# Altium PCB Copy of pioneer_2-bluepill_eletronic_wrapper.PcbDoc (continued)
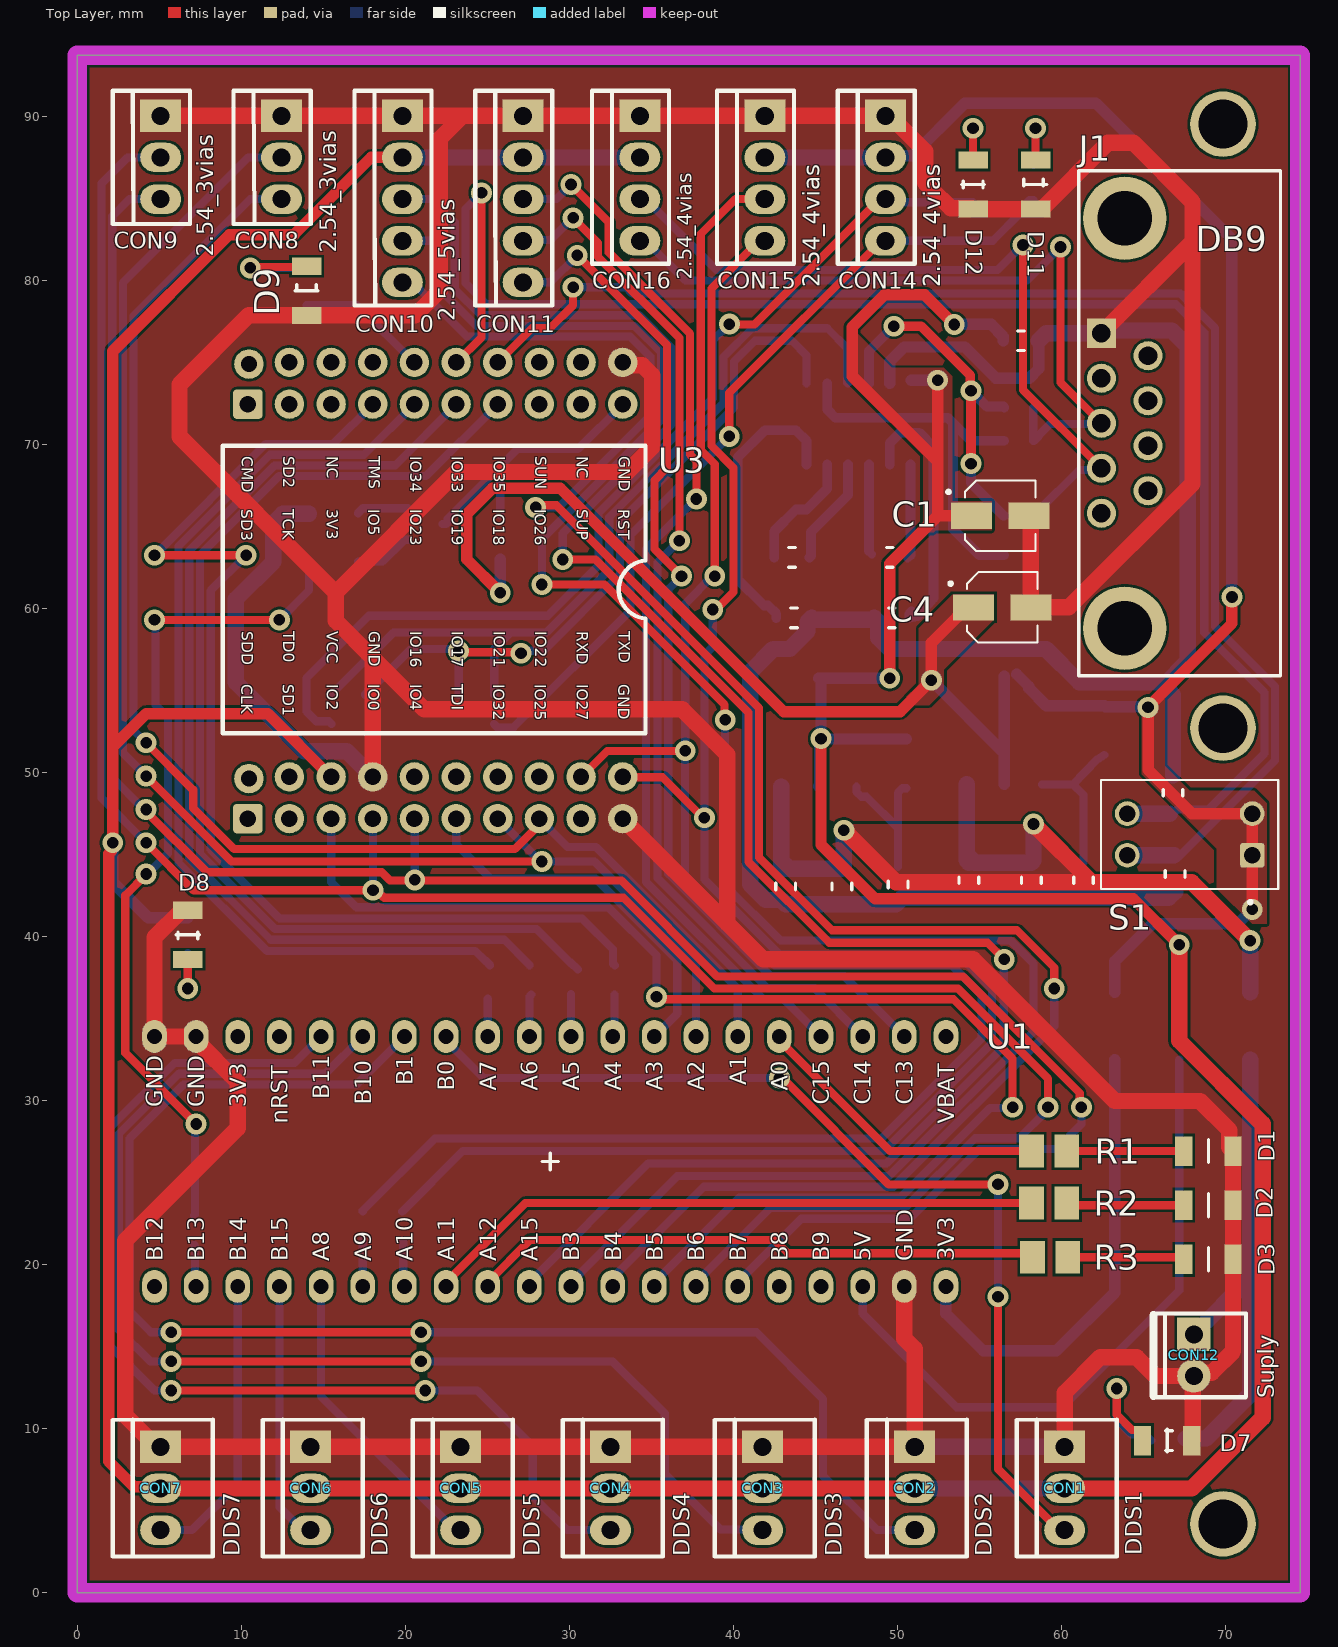
[diagram p0: Top Layer view]
## Part data (continued)
R4 R7 R25 R26 R27: library part "RES 1206", "RES 1206 5%", Arrow Part Number=CRCW12064K70FKEA, Manufacturer_Name=Vishay, Mouser Part Number=71-CRCW1206-4.7K-E3, Arrow Price/Stock=https://www.arrow.com/en/products/crcw12064k70fkea/vishay, Datasheet Link=http://docs-emea.rs-online.com/webdocs/13ec/0900766b813ecc08.pdf, Height=0.6mm, Manufacturer_Part_Number=CRCW12064K70FKEA, Mouser Price/Stock=https://www.mouser.co.uk/ProductDetail/Vishay-Dale/CRCW12064K70FKEA?qs=1vm4qhDHCvlKJmatsKzyFQ%3D%3D
R15 R16 R17 R18 R19 R20 R21 R29 R30 R31 R32 R34 R35 R36 R37: library part "RES 0603 5%", "0603", Case Code - mm=1608, Manufacturer="PANASONIC ELECTRONIC COMPONENTS", Manufacturer Part Number=ERJ-3GEY0R00V, Operating Temperature="-55°C ~ 155°C", Operating Temperature Range="- 55 C to + 155 C", Package / Case="0603 (1608 Metric)", Power (Watts)="0.1W, 1/10W", Power Rating=100, Resistance=0, Resistance (Ohms)=0.0, Resistance Tolerance=-, Resistor Case Style="0603 [1608 Metric]", Supplier Part Number 1=667-ERJ-3GEY0R00V, Tolerance=Jumper, Voltage Rating=75, Brand=Panasonic, Case Code - in=0603, Category=Resistors, ComponentLink1Description=http://www.farnell.com/cad/1697908.zip, ComponentLink1URL=http://www.farnell.com/cad/1697908.zip, ComponentLink2Description=http://www.farnell.com/datasheets/1678796.pdf, ComponentLink2URL=http://www.farnell.com/datasheets/1678796.pdf, ComponentLink3Description=http://industrial.panasonic.com/www-cgi/jvcr13pz.cgi?E+PZ+3+AOA0001+ERJ3GEY0R00V+7+WW, ComponentLink3URL=http://industrial.panasonic.com/www-cgi/jvcr13pz.cgi?E+PZ+3+AOA0001+ERJ3GEY0R00V+7+WW, ComponentLink4Description=http://www.mouser.com/ds/2/315/AOA0000C84-947596.pdf, ComponentLink4URL=http://www.mouser.com/ds/2/315/AOA0000C84-947596.pdf, Composition="Thick Film", Features="Automotive AEC-Q200", Height="0.022\" (0.55mm)", Length="1.6 mm", Minimum Order Quantity=1, MSL=-, Number of Terminations=2, Packaging="Cut Tape", Pricing 1="1=0.160, 10=0.019, 100=0.013, 500=0.010, 1000=0.005, 5000=0.003 (AUD)", Product="Thick Film Resistors Zero-Ohm", Product Range="AEC-Q200 ERJ3", Qualification=AEC-Q200, Reeling=True, RoHS=YES, RoHS - Mouser=E, Series=ERJ, Size / Dimension="0.063\" L x 0.031\" W (1.60mm x 0.80mm)", Stock 1=1987085, Supplier 1=Mouser, Supplier Device Package=0603, Temperature Coefficient=-, Termination Style=SMD/SMT, Type="Thick Film Resistors SMD", Width="0.8 mm"
S1: "DS02-254-2L-02BE", Package=None, Availability=Unavailable, MP=DS02-254-2L-02BE, Price=None
U1: library part CMP-010-000000-1, "BluePill - STMDuino (STM32F103)", Component Type=Interface, Design Item ID=BluePill, Source=uControlador.SchLib
U2: "3-V to 5.5-V multichannel RS-232 line driver & receiver 16-SOIC -40 to 85", Package="SOIC-16 Texas Instruments", Availability=Good, DigiKey-Purchase-URL=https://snapeda.com/shop?store=DigiKey&id=215166, MF="Texas Instruments", Mouser-Purchase-URL=https://snapeda.com/shop?store=Mouser&id=215166, MP=MAX3232ID, Price=None, SnapEDA_Link=https://www.snapeda.com/parts/MAX3232ID/Texas%20Instruments/view-part/215166/?ref=snap, Texas_Instruments-Purchase-URL=https://snapeda.com/shop?store=Texas+Instruments&id=215166
U3: library part "ESP32 D1 Mini", "ESP32 D1 Mini"

## Free pads (board coordinates)
  round 4 hole 3: 1(69.85,52.705) 2(69.85,4.191) 3(69.85,89.535)

## Via types
v1: diameter 1.27, hole 0.711, Top Layer to Bottom Layer, 72 vias

## Nets (pads, with @x,y where several pads share a name; then routed paths per layer and width w, separated by ;. In a path a pad name is that pad's centre, name@x,y a point inside that pad or via, vN(x,y) a via of type N, cw(c..) or ccw(c..) an arc to the next point about the centre after c; other vN are vias at no path point)
3v3: C4.p CON14.2 CON15.2 D5.1 LM2.2 LM2.4 R7.2 R25.2 S1.1A S1.2A | length 163.3
  Top Layer w0.7: v1@25.746,60.995 23.749,62.992 23.749,65.786 25.287,67.324 29.45,67.324 43.053,53.721 50.165,53.721 v1(52.07,55.626) 52.07,57.912 53.638,59.48 53.638,59.521 54.188,60.071 C4.p ; v1(70.396,60.706) 70.396,59.093 v1(65.278,53.975) 65.278,50.165 67.945,47.498 S1.1A S1.2A v1(71.628,41.656)
  Bottom Layer w0.7: v1(25.781,60.96) R25.2 ; CON14.2 49.368,87.595 50.892,87.595 54.102,90.805 62.103,90.805 70.396,82.512 v1(70.396,60.706) ; v1(52.07,55.626) 56.515,51.181 ; LM2.2 56.515,51.181 ; LM2.4 56.515,51.181 ; LM2.4@57.261,56.007 58.015,55.253 58.015,55.142 59.079,54.078 R7.2 62.663,54.026 65.227,54.026 v1(65.278,53.975) ; D5.1 63.246,38.481 65.532,40.767 70.739,40.767 v1(71.628,41.656)
  Bottom Layer w1: CON15.2 CON14.2
3v3_bluepill: D5.2 U1.20 U1.38 | length 28.6
  Bottom Layer w0.7: U1.20 52.959,17.018 55.245,14.732 59.69,14.732 63.246,18.288 D5.2
5v: C1.p C5.1 CON1.2 CON2.2 CON3.2 CON4.2 CON5.2 CON6.2 CON7.2 CON10.2 CON11.2 CON16.2 D4.1 LM1.2 LM1.4 R4.2 R22.2 U2.16 U3.13 | length 326.9
  Top Layer w0.7: CON7.2 4.988,6.442 3.464,6.442 1.905,8.001 1.905,45.063 2.05,45.208 2.05,45.611 v1(2.159,45.72) 2.159,51.562 ; U3.13 11.608,53.594 4.191,53.594 2.159,51.562 ; CON10.2 17.907,87.503 13.208,82.804 9.271,82.804 2.159,75.692 2.159,51.562 ; v1(45.339,52.07) 45.339,45.593 48.641,42.291 64.389,42.291 v1(67.183,39.497) ; v1(49.53,55.753) 49.53,62.738 52.451,65.659 ; v1(52.451,73.914) 52.451,68.961 ; v1(53.467,77.322) 51.668,79.121 49.2,79.121 47.244,77.165 47.244,74.168 52.451,68.961 ; C1.p 52.451,65.659 ; 52.451,65.659 52.451,68.961
  Top Layer w1: CON7.2 CON6.2 CON5.2 CON4.2 CON3.2 CON2.2 ; CON1.2 67.945,6.35 72.263,10.668 72.263,28.575 67.183,33.655 v1(67.183,39.497)
  Bottom Layer w0.7: v1(2.159,45.72) 2.159,43.307 4.318,41.148 6.722,41.148 R22.2 ; LM1.2 45.275,49.215 45.275,52.006 v1(45.339,52.07) ; v1(49.53,55.753) v1(49.53,55.753) 45.213,55.752 LM1.4 45.339,55.624 v1(45.339,52.07) ; R4.2 45.363,52.046 v1(45.339,52.07) ; U2.16@50.85,73.914 v1(52.451,73.914) ; v1(53.467,77.322) 55.711,77.322 56.456,76.577 C5.1 ; D4.1 v1(67.183,39.497)
  Bottom Layer w1: CON10.2 CON11.2 CON16.2 ; CON2.2 CON1.2
5v_bluepill: D4.2 U1.18 | length 40.3
  Bottom Layer w0.5: U1.18 47.879,17.018 53.594,11.303 60.071,11.303 67.183,18.415 D4.2
cs0: R21.2 U3.24 | length 69.6
  Top Layer w0.5: v1(4.699,63.246) v1(10.287,63.246)
  Bottom Layer w0.5: v1(4.699,63.246) 11.481,70.028 15.594,70.028 U3.24@18.014,72.447 ; v1(10.287,63.246) 8.128,61.087 8.128,45.311 12.329,41.11 30.772,41.11 32.655,39.227 32.655,38.338 R21.2
dds_1: CON1.3 U1.33 | length 61.1
  Top Layer w0.5: U1.33@22.479,33.659 U1.33 ; v1(42.799,31.369) 42.989,31.369 49.466,24.892 v1(56.134,24.892) ; v1(56.134,18.034) 56.134,7.524 59.848,3.81 CON1.3
  Bottom Layer w0.5: U1.33 22.479,33.659 24.769,31.369 v1(42.799,31.369) ; v1(56.134,18.034) v1(56.134,24.892) ; CON1.3@59.848,3.81 CON1.3
dds_2: CON2.3 U1.34 | length 86
  Top Layer w0.5: v1(5.715,15.875) v1(20.955,15.875)
  Bottom Layer w0.5: v1(5.715,15.875) 4.478,15.875 3.175,17.178 3.175,27.686 6.477,30.988 17.018,30.988 U1.34 ; v1(20.955,15.875) 41.402,15.875 45.466,11.811 45.466,7.112 48.768,3.81 CON2.3
dds_3: CON3.3 U1.35 | length 75.8
  Top Layer w0.5: v1(5.715,14.097) v1(20.955,14.097)
  Bottom Layer w0.5: v1(5.715,14.097) 4.445,14.097 2.523,16.019 2.523,27.956 6.207,31.64 15.13,31.64 U1.35 ; v1(20.955,14.097) 32.639,14.097 35.814,10.922 35.814,7.239 39.201,3.852 41.741,3.852 CON3.3
dds_4: CON4.3 U1.36 | length 65.5
  Top Layer w0.5: v1(5.715,12.319) v1(21.209,12.319)
  Bottom Layer w0.5: v1(5.715,12.319) 4.699,12.319 1.871,15.147 1.871,28.226 5.937,32.292 13.242,32.292 U1.36 ; v1(21.209,12.319) 24.384,12.319 27.759,8.944 27.759,5.896 29.845,3.81 CON4.3
dds_5: CON5.3 U1.5 | length 18.6
  Bottom Layer w0.5: U1.5 14.859,11.969 23.018,3.81 CON5.3
dds_6: CON6.3 U1.4 | length 15.9
  Bottom Layer w0.5: U1.4 12.319,5.207 13.716,3.81 CON6.3
dds_7: CON7.3 U1.3 | length 17.9
  Bottom Layer w0.5: CON7.3 6.985,3.81 9.779,6.604 U1.3
encoder1_s1: CON10.5 U1.12 | length 115.9
  Top Layer w0.5: v1(27.94,66.167) 28.067,66.294 29.21,66.294 41.567,53.937 41.567,44.826 46.007,40.386 57.277,40.386 59.563,38.1 v1(59.563,36.83)
  Bottom Layer w0.5: CON10.5 20.447,79.883 23.749,76.581 33.706,76.581 34.925,75.362 34.925,71.755 29.337,66.167 v1(27.94,66.167) ; U1.12 32.639,19.177 38.21,24.748 49.767,24.748 59.563,34.544 v1(59.563,36.83)
encoder1_s2: CON10.4 U1.11 | length 122.2
  Top Layer w0.5: v1(28.321,61.468) 32.131,61.468 38.785,54.814 39.462,54.137 39.462,53.248 v1(39.497,53.213)
  Bottom Layer w0.5: CON10.4 21.717,82.423 22.352,81.788 22.352,79.215 24.334,77.233 33.976,77.233 35.577,75.632 35.577,71.485 28.321,64.229 v1(28.321,61.468) ; U1.11 30.099,18.919 36.58,25.4 49.497,25.4 58.293,34.196 58.293,38.354 56.896,39.751 42.87,39.751 39.493,43.128 39.493,53.209 v1(39.497,53.213)
encoder1_s3: CON10.3 U1.10 | length 120.6
  Top Layer w0.5: v1@29.972,62.992 31.59,62.992 40.915,53.667 40.915,44.556 45.847,39.624 55.499,39.624 v1(56.515,38.608)
  Bottom Layer w0.5: CON10.3 21.59,84.963 23.004,83.549 23.004,79.485 24.604,77.885 34.246,77.885 36.229,75.902 36.229,71.215 29.591,64.577 v1(29.591,62.992) ; U1.10 27.559,18.919 34.802,26.162 49.337,26.162 56.481,33.306 56.481,38.574 v1(56.515,38.608)
encoder2_s1: CON11.5 U1.22 | length 63.8
  Top Layer w0.5: v1(30.48,81.534) 35.954,76.06 35.954,68.593 35.179,67.818 35.179,63.627 v1(36.83,61.976)
  Bottom Layer w0.5: CON11.5 27.194,79.899 28.845,79.899 v1(30.48,81.534) ; v1(36.83,61.976) 36.027,61.173 36.027,43.829 42.263,37.592 46.736,37.592 U1.22
encoder2_s2: CON11.4 U1.23 | length 63.6
  Top Layer w0.5: v1(30.226,83.82) 31.75,82.296 31.75,81.44 36.703,76.487 v1(36.703,64.135)
  Bottom Layer w0.5: CON11.4 27.227,82.472 28.838,82.472 v1@30.185,83.82 ; v1(36.703,64.135) 35.375,62.807 35.375,43.558 42.086,36.847 44.941,36.847 U1.23
encoder2_s3: CON11.3 U1.24 | length 64.8
  Top Layer w0.5: v1(30.099,85.852) 32.402,83.549 32.402,81.71 37.355,76.757 37.355,69.386 37.74,69.001 v1(37.74,66.675)
  Bottom Layer w0.5: CON11.3 29.21,84.963 v1(30.099,85.852) ; v1(37.74,66.675) 37.719,66.675 34.671,63.627 34.671,43.34 41.816,36.195 43.053,36.195 U1.24
gnd: C1.n C2.1 C3.1 C4.n C5.2 C8.1 C9.1 CON1.1 CON2.1 CON3.1 CON4.1 CON5.1 CON6.1 CON7.1 CON8.1 CON9.1 CON10.1 CON11.1 CON12.2 CON14.1 CON15.1 CON16.1 D1.2 D2.2 D3.2 D7.2 D8.2 D9.2 D11.2 D12.2 J1.5 R5.2 R6.2 R8.1 R10.2 R27.1 R28.1 R33.2 U1.19 U1.39 U1.40 U2.15 U3.10 U3.14 U3.40 | length 562.8
  Top Layer w1: CON9.1 CON8.1 CON10.1 23.495,90.043 ; D8.2 6.356,41.608 4.699,39.951 U1.40 U1.39 7.239,33.659 9.779,31.119 9.779,28.321 2.921,21.463 2.921,10.799 4.83,8.89 CON6.1 CON5.1 CON4.1 CON3.1 CON2.1@51.304,8.89 ; U3.14@18.014,49.738 18.014,56.986 ; U3.10@33.254,47.174 39.624,40.804 ; U3.40@33.254,74.987 33.407,74.834 34.438,74.834 35.052,74.22 35.052,69.85 33.528,68.326 23.114,68.326 15.748,60.96 ; U1.19 50.419,15.494 51.054,14.859 CON2.1 ; C1.n 58.138,65.532 C4.n 60.452,60.071 67.992,67.611 67.992,82.343 ; CON1.1 60.198,12.192 62.357,14.351 64.582,14.351 65.725,13.208 CON12.2 ; J1.5 67.992,82.343 ; D7.2 68.008,9.335 68.008,13.144 CON12.2 ; 15.748,60.96 15.748,59.252 18.014,56.986 ; 15.748,60.96 6.223,70.485 6.223,73.66 10.438,77.875 D9.2 20.598,77.875 22.098,79.375 22.098,88.646 23.495,90.043 ; 18.014,56.986 21.152,53.848 36.879,53.848 39.624,51.103 39.624,40.804 ; 23.495,90.043 CON11.1 CON16.1 CON15.1 CON14.1 49.526,90.043 51.689,87.88 51.689,85.949 52.675,84.963 52.705,84.963 53.253,84.415 54.547,84.415 D12.2 D11.2 58.795,84.352 62.835,88.392 64.389,88.392 67.992,84.789 67.992,82.343 ; 39.624,40.804 41.82,38.608 54.61,38.608 63.246,29.972 68.453,29.972 70.238,28.187 70.238,27.147 D1.2 D2.2 D3.2 70.461,14.708 69.158,13.405 68.269,13.405 CON12.2
  Bottom Layer w0.7: U2.15 49.53,75.057 50.419,75.946 54.102,75.946 56.007,74.041 58.039,74.041 58.606,74.608 C5.2
  Bottom Layer w1: R27.1 12.524,65.786 11.938,65.2 11.938,62.845 9.652,60.559 9.652,55.499 13.843,51.308 16.42,51.308 U3.14@18.014,49.714 ; C9.1 44.513,59.186 44.513,58.61 43.434,57.531 42.418,57.531 41.021,56.134 41.021,43.18 41.973,42.228 42.93,42.228 C2.1 R6.2 49.911,41.978 R5.2 50.292,42.359 R10.2 C3.1 R8.1 66.548,42.359 R33.2 ; C9.1@44.89,59.309 C8.1@48.582,59.309 ; C8.1 48.832,59.184 48.832,58.229 49.53,57.531 59.055,57.531 61.087,55.499 66.04,55.499 66.802,54.737 R28.1 ; CON2.1 CON1.1 ; C5.2 59.063,76.784 J1.5 62.603,76.954 66.727,76.954 67.691,75.99 67.691,56.769 66.23,55.308
led_1: R1.2 U1.25 | length 18.4
  Top Layer w0.5: U1.25 42.799,33.659 49.534,26.924 R1.2
led_2: R2.2 U1.8 | length 37.9
  Top Layer w0.5: U1.8 22.479,18.919 27.309,23.749 R2.2
led_3: R3.2 U1.9 | length 35
  Top Layer w0.5: U1.9 25.019,18.919 27.593,21.493 42.515,21.493 43.312,20.697 57.984,20.697 R3.2
led_conn_esp: R23.2 U3.35 | length 8
  Bottom Layer w0.5: R23.2 17.055,78.486 U3.35@20.554,74.987
miso: R17.2 U3.26 | length 62.2
  Bottom Layer w0.5: U3.26@23.094,72.447 19.382,68.736 18.126,68.736 18.113,68.724 12.021,68.724 6.824,63.527 6.824,44.771 11.789,39.806 26.03,39.806 27.559,38.277 R17.2
mode_1: R28.2 S1.1B U3.36 | length 100.2
  Top Layer w0.5: U3.36@23.094,74.987 24.638,76.532 v1(24.638,85.344)
  Bottom Layer w0.5: v1(24.638,85.344) 23.656,84.362 23.656,79.849 24.952,78.553 66.989,78.553 68.707,76.835 68.707,58.547 72.373,54.881 72.373,51.164 68.961,47.752 67.056,47.752 R28.2@66.899,47.595 ; R28.2@66.607,47.498 R28.2
  Bottom Layer w1: S1.1B R28.2@66.607,47.498
mode_2: R33.1 S1.2B U3.37 | length 86.7
  Top Layer w0.5: U3.37 27.711,77.089 28.829,77.089 30.226,78.486 v1(30.226,79.59)
  Bottom Layer w0.5: v1(30.226,79.59) 33.44,79.59 33.825,79.205 67.259,79.205 69.359,77.105 69.359,58.911 73.025,55.245 73.025,50.736 67.179,44.89 R33.1 R33.1@66.861,44.958
  Bottom Layer w1: S1.2B R33.1@66.861,44.958
mosi: R19.2 U3.25 | length 58.9
  Bottom Layer w0.5: U3.25@20.554,72.447 17.482,69.376 11.751,69.376 6.172,63.797 6.172,44.501 11.557,39.116 24.257,39.116 24.846,38.527 24.896,38.527 25.146,38.277 R19.2
motor1_comm1: CON9.3 U1.15 U3.5 | length 135.5
  Top Layer w0.5: v1(4.191,47.752) 4.191,47.625 7.891,43.925 18.553,43.925 19.065,43.413 20.532,43.413 v1(20.574,43.455) ; v1@20.574,43.413 33.168,43.413 39.01,37.571 53.996,37.571 61.116,30.451 61.116,29.689 v1(61.214,29.591)
  Bottom Layer w0.5: v1(4.191,47.752) 4.064,47.752 2.125,49.691 2.125,83.913 3.175,84.963 CON9.3 ; v1(20.574,43.455) 20.564,43.465 20.564,47.144 U3.5@20.574,47.154 ; U1.15 40.259,18.919 44.132,22.792 50.732,22.792 54.991,27.051 59.69,27.051 61.214,28.575 v1(61.214,29.591)
motor1_comm2: CON9.2 U1.14 U3.4 | length 138.6
  Top Layer w0.5: v1(4.191,45.72) 7.091,42.82 v1(18.024,42.82) ; v1@18.242,42.799 18.618,42.424 18.656,42.424 18.712,42.368 33.291,42.368 38.829,36.83 53.688,36.83 59.182,31.336 v1(59.182,29.591)
  Bottom Layer w0.5: v1(4.191,45.72) 1.473,48.438 1.473,85.928 3.048,87.503 CON9.2 ; U3.4@18.014,47.174 18.019,47.169 18.019,42.825 v1(18.024,42.82) ; U1.14 37.719,18.919 42.244,23.444 50.462,23.444 54.721,27.703 57.421,27.703 59.182,29.464 v1(59.182,29.591)
motor1_comm3: U1.13 U3.3 | length 80.8
  Top Layer w0.5: v1(35.306,36.322) 35.45,36.178 53.418,36.178 57.023,32.573 v1(57.023,29.591)
  Bottom Layer w0.5: U3.3@15.474,47.174 15.474,43.327 17.018,41.783 32.385,41.783 35.306,38.862 v1(35.306,36.322) ; U1.13 35.179,18.919 40.356,24.096 50.192,24.096 55.638,29.542 56.974,29.542 v1(57.023,29.591)
motor2_comm1: CON8.3 U1.26 U3.8 | length 85.9
  Top Layer w0.5: v1(4.191,51.816) 7.059,48.948 7.059,47.838 9.558,45.339 26.67,45.339 28.174,46.843 U3.8@28.174,47.174
  Bottom Layer w0.5: v1(4.191,51.816) 3.429,52.578 3.429,77.851 10.541,84.963 CON8.3 ; U3.8@28.174,47.174 29.882,45.466 31.623,45.466 40.259,36.83 U1.26
motor2_comm2: CON8.2 U1.27 U3.7 | length 90
  Top Layer w0.5: v1(4.191,49.784) 9.398,44.577 v1(28.321,44.577)
  Bottom Layer w0.5: v1(4.191,49.784) 2.777,51.198 2.777,79.866 10.414,87.503 CON8.2 ; U3.7@25.634,47.174 28.231,44.577 v1(28.321,44.577) ; v1@28.276,44.577 31.529,44.577 37.719,38.387 U1.27
motor2_comm3: U1.28 U3.6 | length 23.2
  Bottom Layer w0.5: U3.6@23.094,47.174 23.094,45.632 25.186,43.54 31.587,43.54 36.576,38.551 36.576,35.306 U1.28
NetC6_1: C6.1 U2.3 | length 5.5
  Bottom Layer w0.5: C6.1@48.26,63.5 C6.1@48.455,63.305
  Bottom Layer w0.6: C6.1@48.26,63.5 U2.3
NetC6_2: C6.2 U2.1 | length 5.8
  Bottom Layer w0.5: C6.2@50.605,63.051 C6.2@50.8,63.246
  Bottom Layer w0.6: C6.2@50.8,63.246 U2.1
NetC7_1: C7.1 U2.5 | length 7.4
  Bottom Layer w0.6: C7.1 42.486,64.711 43.815,66.04 44.45,66.04 45.72,67.31 U2.5
NetC7_2: C7.2 U2.4 | length 6.6
  Bottom Layer w0.6: C7.2 44.729,63.212 44.729,64.668 46.99,66.929 U2.4
NetC8_2: C8.2 U2.2 | length 17.1
  Bottom Layer w0.6: U2.2 49.53,70.104 50.146,70.72 51.327,70.72 52.197,69.85 52.197,60.624 51.816,60.198 51.336,59.649 51.213,59.526 C8.2 ; C8.2@50.986,59.563 C8.2@51.232,59.74 ; C8.2 50.986,59.688 50.861,59.813 50.732,59.684 C8.2
NetC9_2: C9.2 U2.6 | length 17.5
  Bottom Layer w0.6: C9.2@42.613,59.432 42.613,59.686 42.113,60.186 41.859,60.186 40.259,61.786 40.259,69.215 41.91,70.866 43.815,70.866 44.45,70.231 U2.6
NetD1_1: D1.1 R1.1 | length 7.1
  Top Layer w0.5: R1.1 D1.1
NetD2_1: D2.1 R2.1 | length 7.2
  Top Layer w0.5: R2.1 60.452,23.622 D2.1
NetD3_1: D3.1 R3.1 | length 7.1
  Top Layer w0.5: R3.1 67.334,20.447 D3.1
NetD7_1: D7.1 R9.1 | length 8.6
  Top Layer w0.5: v1(63.373,12.446) 63.373,10.843 64.295,9.921 64.67,9.921 64.945,9.646 D7.1
  Bottom Layer w0.5: v1(63.373,12.446) 63.373,10.541 64.266,9.648 65.096,9.648 R9.1
NetD8_1: D8.1 R22.1 | length 3.9
  Top Layer w0.5: v1(6.731,36.83) D8.1
  Bottom Layer w0.5: v1(6.731,36.83) R22.1
NetD9_1: D9.1 R23.1 | length 6.9
  Top Layer w0.5: v1@10.592,80.823 13.918,80.823 D9.1
  Bottom Layer w0.5: v1(10.541,80.772) 13.834,80.772 R23.1
NetD11_1: D11.1 R11.1 | length 4.2
  Top Layer w0.5: D11.1 v1(58.42,89.281)
  Bottom Layer w0.5: R11.1 58.42,87.181 v1(58.42,89.281)
NetD12_1: D12.1 R12.1 | length 1.9
  Top Layer w0.5: D12.1 v1(54.61,89.281)
NetLM1_1: LM1.1 R4.1 R5.1 | length 8.9
  Bottom Layer w0.5: LM1.1@47.512,49.135 47.512,48.826 47.812,48.526 48.121,48.526 50.038,46.609 ; R5.1 50.038,46.609 ; R4.1 50.313,49.046 50.038,48.771 50.038,46.609
NetLM2_1: LM2.1 R7.1 R8.2 | length 9.6
  Bottom Layer w0.5: LM2.1 60.708,49.278 ; R8.2 61.341,48.645 60.708,49.278 ; R7.1 62.172,50.803 60.708,49.278
NetQ1_1: Q1.1 R26.1 | length 3.6
  Bottom Layer w0.5: R26.1 18.608,62.865 19.934,64.191 Q1.1
NetQ1_2: Q1.2 R27.2 | length 3.2
  Bottom Layer w0.5: R27.2 17.121,65.836 17.396,66.111 Q1.2
rst: R16.2 R26.2 | length 51.5
  Top Layer w0.5: v1(4.191,43.815) 4.191,43.789 2.921,42.519 2.921,32.893 v1(7.239,28.575) ; v1(4.699,59.309) v1(12.315,59.309)
  Bottom Layer w0.5: v1(4.191,43.815) 4.272,43.815 5.52,45.063 5.52,53.359 4.754,54.125 4.754,59.254 v1(4.699,59.309) ; R16.2 7.175,23.05 7.175,28.511 v1(7.239,28.575) ; v1(12.315,59.309) 14.121,61.115 R26.2
rst_esp: R16.1 U1.2 | length 2.6
  Bottom Layer w0.5: R16.1 7.17,21.152 7.17,18.738 U1.2
rst_signal: Q1.3 R25.1 U3.30 | length 17.1
  Bottom Layer w0.5: Q1.3 22.484,65.151 22.559,65.226 22.559,65.451 25.746,68.638 ; R25.1@25.781,65.671 25.781,68.673 26.831,69.723 30.529,69.723 U3.30@33.254,72.447
rxd0_micro: CON15.3 R20.2 U3.19 | length 118
  Top Layer w0.5: U3.19@30.714,49.714 32.307,51.308 37.043,51.308 v1(37.064,51.328) ; v1(38.862,61.976) 38.862,68.801 38.007,69.656 38.007,82.838 40.132,84.963 CON15.3
  Bottom Layer w0.5: R20.2 17.399,23.291 21.794,27.686 49.017,27.686 55.118,33.787 55.118,36.449 53.323,38.244 42.533,38.244 37.051,43.726 37.051,51.275 37.084,51.308 v1(37.064,51.328) 37.064,60.305 38.735,61.976 v1(38.862,61.976)
rxd1_i_m232: R30.1 R32.1 U2.13 | length 51.2
  Bottom Layer w0.5: R32.1 15.505,54.775 19.277,58.547 26.416,58.547 ; R30.1 25.411,57.542 26.416,58.547 ; U2.13 46.943,73.769 46.943,75.866 45.72,77.089 41.148,77.089 39.387,75.328 39.387,72.529 32.423,65.565 32.423,62.362 28.608,58.547 26.416,58.547
rxd1_o_m232: R35.2 R37.2 U2.12 | length 23.4
  Bottom Layer w0.6: U2.12 45.72,72.136 46.228,71.628 53.086,71.628 53.396,71.318 ; R35.2 54.991,63.246 53.396,64.841 53.396,71.318 ; R37.2 54.483,70.231 53.396,71.318
rxd2_micro: CON14.3 R12.2 R31.2 R32.2 U3.15 | length 60.6
  Top Layer w0.5: v1(39.751,77.343) 39.772,77.322 41.285,77.322 48.926,84.963 CON14.3
  Bottom Layer w0.5: R32.2 15.32,53.133 14.558,53.133 13.97,53.721 13.97,55.753 17.78,59.563 28.702,59.563 31.771,62.632 31.771,65.835 38.735,72.799 38.735,76.327 v1(39.751,77.343) ; CON14.3 49.462,84.777 R12.2
rxd_pioner: CON16.3 J1.2 R34.1 R35.1 | length 49.6
  Top Layer w0.5: v1(57.658,82.169) 57.658,73.33 J1.2
  Bottom Layer w0.5: CON16.3 34.64,84.963 38.958,80.645 56.097,80.645 57.621,82.169 v1(57.658,82.169) ; R35.1 R34.1 58.331,65.648 58.581,65.898 58.581,65.948 61.086,68.453 J1.2@62.868,68.453
sck: R15.2 U3.27 | length 66.1
  Bottom Layer w0.5: U3.27@25.634,72.447 21.258,68.072 12.291,68.072 7.476,63.257 7.476,45.041 12.059,40.458 27.995,40.458 30.053,38.4 30.103,38.4 R15.2@30.513,37.99
serial_rx_micro: R18.1 U1.7 | length 2.9
  Bottom Layer w0.5: R18.1 19.87,21.406 19.87,18.738 U1.7
serial_tx_micro: R20.1 U1.6 | length 2.8
  Bottom Layer w0.5: R20.1 17.394,21.469 17.394,18.674 U1.6
spi_miso: R17.1 U1.31 | length 2.6
  Bottom Layer w0.5: U1.31 27.559,36.345 R17.1@27.675,36.461
spi_mosi: R19.1 U1.32 | length 2.3
  Bottom Layer w0.5: U1.32 R19.1@25.019,36.206
spi_nss: R21.1 U1.29 | length 2.6
  Bottom Layer w0.5: U1.29 32.755,34.025 R21.1
spi_sck: R15.1 U1.30 | length 2.6
  Bottom Layer w0.5: U1.30 R15.1@30.099,36.492
txd0_micro: CON15.4 R18.2 U3.20 | length 111.7
  Top Layer w0.5: U3.20@33.254,49.714 35.676,49.714 38.146,47.244 v1(38.227,47.244) ; v1(38.735,59.944) 38.943,59.944 40.005,61.006 40.005,68.58 38.659,69.926 38.659,79.522 41.56,82.423 CON15.4
  Bottom Layer w0.5: R18.2 23.495,26.924 49.177,26.924 55.77,33.517 55.77,36.813 53.687,38.896 42.803,38.896 38.227,43.472 v1(38.227,47.244) 38.227,57.15 38.735,57.658 v1(38.735,59.944)
txd1_i_m232: R29.1 R31.1 U2.11 | length 44.4
  Top Layer w0.5: v1(23.241,57.404) 23.304,57.34 26.987,57.34 v1(27.051,57.277)
  Bottom Layer w0.5: R31.1 17.537,54.775 17.787,55.025 17.837,55.025 20.343,57.531 23.114,57.531 v1(23.241,57.404) 23.247,57.398 23.247,54.731 R29.1 ; v1(27.051,57.277) 27.198,57.424 28.407,57.424 33.075,62.092 33.075,65.295 40.039,72.259 40.039,75.058 41.308,76.327 43.561,76.327 44.45,75.438 U2.11
txd1_o_m232: R34.2 R36.2 U2.14 | length 22
  Top Layer w0.6: v1(49.784,77.216) 51.435,77.216 54.442,74.209 54.442,73.32 v1(54.483,73.279) ; v1(54.483,68.834) v1@54.483,73.363
  Bottom Layer w0.6: U2.14 48.26,75.692 v1(49.784,77.216) ; v1(54.483,68.834) 54.483,67.641 56.465,65.659 R34.2 ; v1(54.483,73.279) 55.446,72.316 56.462,72.316 R36.2
txd2_micro: CON14.4 R11.2 R29.2 R30.2 U3.16 | length 50.7
  Top Layer w0.5: v1(39.741,70.495) 39.741,73.142 49.022,82.423 CON14.4
  Bottom Layer w0.5: R30.2 25.624,52.735 26.573,52.735 33.727,59.889 33.727,64.48 v1(39.741,70.495) ; CON14.4 55.812,82.423 57.543,84.154 57.543,84.404 58.043,84.904 R11.2
txd_pioneer: CON16.4 J1.3 R36.1 R37.1 | length 45.9
  Top Layer w0.5: v1(59.944,82.042) 59.944,73.787 J1.3
  Bottom Layer w0.5: CON16.4 34.64,82.423 37.07,79.993 57.895,79.993 v1(59.944,82.042) ; R36.1 R37.1 58.331,70.22 58.581,70.47 58.581,70.52 59.308,71.247 62.382,71.247 J1.3
VCC: CON12.1 D6.2 R9.2 | length 30.3
  Bottom Layer w1: R9.2@67.564,9.398 68.825,9.398 71.501,12.074 71.501,19.177 ; CON12.1 71.501,19.177 ; D6.2 71.501,19.177
vcc_protected: C2.2 C3.2 D6.1 LM1.3 LM2.3 R6.1 R10.1 | length 58.6
  Top Layer w1: v1(46.736,46.482) 49.911,43.307 61.849,43.307 ; v1(58.293,46.863) 61.849,43.307 ; v1(71.501,39.751) 67.945,43.307 61.849,43.307
  Bottom Layer w1: LM1.3 C2.2@42.912,44.628 ; C2.2 42.912,44.396 C2.2@42.912,44.628 ; v1(46.736,46.482) 46.736,44.255 R6.1 43.412,44.128 C2.2@42.912,44.628 ; LM2.3 R10.1@54.215,45.009 ; R10.1 54.215,44.65 R10.1@54.215,45.009 ; v1(58.293,46.863) 58.293,44.636 C3.2 54.715,44.509 R10.1@54.215,45.009 ; D6.1 v1(71.501,39.751)
pads on no net: J1.1 J1.4 J1.6 J1.7 J1.8 J1.9 J1.G1 J1.G2 U1.1 U1.16 U1.17 U1.21 U1.37 U2.7 U2.8 U2.9 U2.10 U3.1 U3.2 U3.9 U3.11 U3.12 U3.17 U3.18 U3.21 U3.22 U3.23 U3.28 U3.29 U3.31 U3.32 U3.33 U3.34 U3.38 U3.39

## Polygon pours and split planes (outlines as drawn)
gnd on Bottom Layer "GND_L02_P018" (solid, pour order 18): -0.007,-0.007 0,0 74.549,0 74.549,93.719 -0.007,93.719
rst_signal on Bottom Layer "RST_SIGNAL_L02_P015" (solid, pour order 15): 22.733,64.77 23.368,65.405 26.67,65.405 26.67,68.707 27.178,69.215 31.369,69.215 34.29,72.136 34.29,73.406 32.258,73.406 32.258,72.009 30.48,70.231 26.289,70.231 21.717,65.659 21.717,64.77
txd2_micro on Bottom Layer "TXD2_MICRO_L02_P001" (solid, pour order 1): 24.003,49.53 cw(c23.177,49.593) 23.114,48.768 cw(c23.05,49.593) 22.225,49.53 22.225,53.086 22.564,53.34 26.162,53.34 26.162,52.197 24.003,52.197
5v on Bottom Layer "5V_L02_P014" (solid, pour order 14): 50.546,72.771 53.213,72.771 53.213,74.803 50.546,74.803
rxd_pioner on Bottom Layer "RXD_PIONER_L02_P013" (solid, pour order 13): 57.785,62.738 57.785,67.31 59.944,69.469 63.5,69.469 63.5,67.564 60.452,67.564 58.928,66.04 58.928,62.738
txd_pioneer on Bottom Layer "TXD_PIONEER_L02_P012" (solid, pour order 12): 57.658,69.723 57.658,72.771 59.69,72.771 60.198,72.263 63.5,72.263 63.5,70.231 59.817,70.231 59.309,69.723
vcc_protected on Bottom Layer "VCC_PROTECTED_L02_P010" (solid, pour order 10): 53.34,43.815 53.34,50.292 54.991,50.292 54.991,48.133 55.372,47.752 58.801,47.752 59.309,47.244 59.309,43.815
vcc_protected on Bottom Layer "VCC_PROTECTED_L02_P009" (solid, pour order 9): 42.164,43.434 42.164,50.038 43.942,50.038 43.942,47.625 46.99,47.625 47.752,46.863 47.752,43.434
5v on Bottom Layer "5V_L02_P008" (solid, pour order 8): 43.434,52.959 44.323,52.07 44.323,51.562 44.577,51.308 44.577,48.26 45.847,48.26 45.847,50.927 46.482,51.562 51.562,51.562 51.562,54.483 50.419,55.626 50.419,56.134 49.784,56.769 49.276,56.769 43.434,56.769
3v3 on Bottom Layer "3V3_L02_P007" (solid, pour order 7): 51.181,55.372 51.181,56.134 51.689,56.642 58.293,56.642 60.452,54.483 65.659,54.483 65.659,53.594 59.055,53.594 57.15,51.689 57.15,48.387 56.007,48.387 55.88,48.514 55.88,50.673
rxd2_micro on Bottom Layer "RXD2_MICRO_L02_P000" (solid, pour order 0): 19.685,49.687 19.685,49.657 ccw(c20.574,49.657) 20.574,48.768 20.579,48.768 ccw(c20.579,49.652) 21.463,49.652 21.463,50.927 18.923,53.467 14.986,53.467 14.986,52.451 18.034,52.451 19.685,50.8
gnd on Top Layer "GND_L01_P017" (solid, pour order 17): 0,0 74.549,0 74.549,93.726 1.524,93.726 0,93.726
5v on Top Layer "5V_L01_P021" (solid, pour order 21): 55.753,66.548 55.753,64.77 52.327,64.77 52.2,64.643 51.816,64.643 51.562,65.024 51.562,69.342 46.99,73.914 46.99,76.835 47.498,76.835 49.657,74.676 52.832,74.676 53.34,74.168 53.34,66.548
3v3 on Top Layer "3V3_L01_P020" (solid, pour order 20): 51.308,58.801 53.34,60.833 55.88,60.833 55.88,59.309 52.832,56.261 52.832,54.991 51.943,54.102 51.054,54.102 50.546,54.61 51.181,55.245 51.308,55.372
3v3 on Top Layer "3V3_L01_P016" (solid, pour order 16): 72.517,48.133 71.755,48.895 67.818,48.895 66.294,50.419 66.294,54.483 65.278,54.483 64.897,54.102 64.897,49.911 69.469,45.339 69.469,42.926 71.628,40.767 72.517,40.767
vcc_protected on Top Layer "VCC_PROTECTED_L01_P006" (solid, pour order 6): 46.566,46.863 49.741,43.307 61.849,43.307 58.293,46.863

## Keep-outs
Keep-Out Layer:
  the board outline again, w1.2

## Text inside footprints (layer, text, board x,y; h text height)
U1: Top Overlay "GND" at 5.207,29.591 h1 r90; Top Overlay "GND" at 7.747,29.591 h1 r90; Top Overlay "3V3" at 10.287,29.591 h1 r90; Top Overlay "nRST" at 12.827,28.591 h1 r90; Top Overlay "B11" at 15.367,30.091 h1 r90; Top Overlay "B10" at 17.907,29.758 h1 r90; Top Overlay "B1" at 20.447,30.924 h1 r90; Top Overlay "B0" at 22.987,30.591 h1 r90; Top Overlay "A7" at 25.527,30.591 h1 r90; Top Overlay "A6" at 28.067,30.591 h1 r90; Top Overlay "A5" at 30.607,30.591 h1 r90; Top Overlay "A4" at 33.147,30.591 h1 r90; Top Overlay "VBAT" at 53.467,28.591 h1 r90; Top Overlay "C13" at 50.927,29.758 h1 r90; Top Overlay "C14" at 48.387,29.758 h1 r90; Top Overlay "C15" at 45.847,29.758 h1 r90; Top Overlay "A0" at 43.307,30.591 h1 r90; Top Overlay "A1" at 40.767,30.924 h1 r90; Top Overlay "A2" at 38.227,30.591 h1 r90; Top Overlay "A3" at 35.687,30.591 h1 r90; Top Overlay "B5" at 35.687,20.193 h1 r90; Top Overlay "B6" at 38.227,20.193 h1 r90; Top Overlay "B7" at 40.767,20.193 h1 r90; Top Overlay "B8" at 43.307,20.193 h1 r90; Top Overlay "B9" at 45.847,20.193 h1 r90; Top Overlay "5V" at 48.387,20.193 h1 r90; Top Overlay "GND" at 50.927,20.193 h1 r90; Top Overlay "3V3" at 53.467,20.193 h1 r90; Top Overlay "B4" at 33.147,20.193 h1 r90; Top Overlay "B3" at 30.607,20.193 h1 r90; Top Overlay "A15" at 28.067,20.193 h1 r90; Top Overlay "A12" at 25.527,20.193 h1 r90; Top Overlay "A11" at 22.987,20.193 h1 r90; Top Overlay "A10" at 20.447,20.193 h1 r90; Top Overlay "A9" at 17.907,20.193 h1 r90; Top Overlay "A8" at 15.367,20.193 h1 r90; Top Overlay "B15" at 12.827,20.193 h1 r90; Top Overlay "B14" at 10.287,20.193 h1 r90; Top Overlay "B13" at 7.747,20.193 h1 r90; Top Overlay "B12" at 5.207,20.193 h1 r90
U3: Top Overlay "SD1" at 12.534,55.385 h0.7 r270; Top Overlay "CLK" at 9.994,55.385 h0.7 r270; Top Overlay "GND" at 32.981,55.385 h0.7 r270; Top Overlay "IO27" at 30.441,55.385 h0.7 r270; Top Overlay "IO25" at 27.901,55.385 h0.7 r270; Top Overlay "IO32" at 25.361,55.385 h0.7 r270; Top Overlay "TDI" at 22.821,55.385 h0.7 r270; Top Overlay "IO4" at 20.281,55.385 h0.7 r270; Top Overlay "IO0" at 17.741,55.385 h0.7 r270; Top Overlay "IO2" at 15.201,55.385 h0.7 r270; Top Overlay "TD0" at 12.548,58.623 h0.7 r270; Top Overlay "SDD" at 10.008,58.623 h0.7 r270; Top Overlay "TXD" at 32.995,58.623 h0.7 r270; Top Overlay "RXD" at 30.455,58.623 h0.7 r270; Top Overlay "IO22" at 27.915,58.623 h0.7 r270; Top Overlay "IO21" at 25.375,58.623 h0.7 r270; Top Overlay "IO17" at 22.835,58.623 h0.7 r270; Top Overlay "IO16" at 20.295,58.623 h0.7 r270; Top Overlay "GND" at 17.755,58.623 h0.7 r270; Top Overlay "VCC" at 15.215,58.623 h0.7 r270; Top Overlay "TCK" at 12.534,66.053 h0.7 r270; Top Overlay "SD3" at 9.994,66.053 h0.7 r270; Top Overlay "RST" at 32.981,66.053 h0.7 r270; Top Overlay "SUP" at 30.441,66.053 h0.7 r270; Top Overlay "IO26" at 27.901,66.052 h0.7 r270; Top Overlay "IO18" at 25.361,66.053 h0.7 r270; Top Overlay "IO19" at 22.821,66.053 h0.7 r270; Top Overlay "IO23" at 20.281,66.052 h0.7 r270; Top Overlay "IO5" at 17.741,66.052 h0.7 r270; Top Overlay "3V3" at 15.201,66.053 h0.7 r270; Top Overlay "SD2" at 12.548,69.291 h0.7 r270; Top Overlay "CMD" at 10.008,69.291 h0.7 r270; Top Overlay "GND" at 32.995,69.291 h0.7 r270; Top Overlay "NC" at 30.455,69.291 h0.7 r270; Top Overlay "SUN" at 27.915,69.291 h0.7 r270; Top Overlay "IO35" at 25.374,69.291 h0.7 r270; Top Overlay "IO33" at 22.834,69.291 h0.7 r270; Top Overlay "IO34" at 20.294,69.291 h0.7 r270; Top Overlay "TMS" at 17.755,69.291 h0.7 r270; Top Overlay "NC" at 15.215,69.291 h0.7 r270